# KiCad board dasicHotswap.kicad_pcb
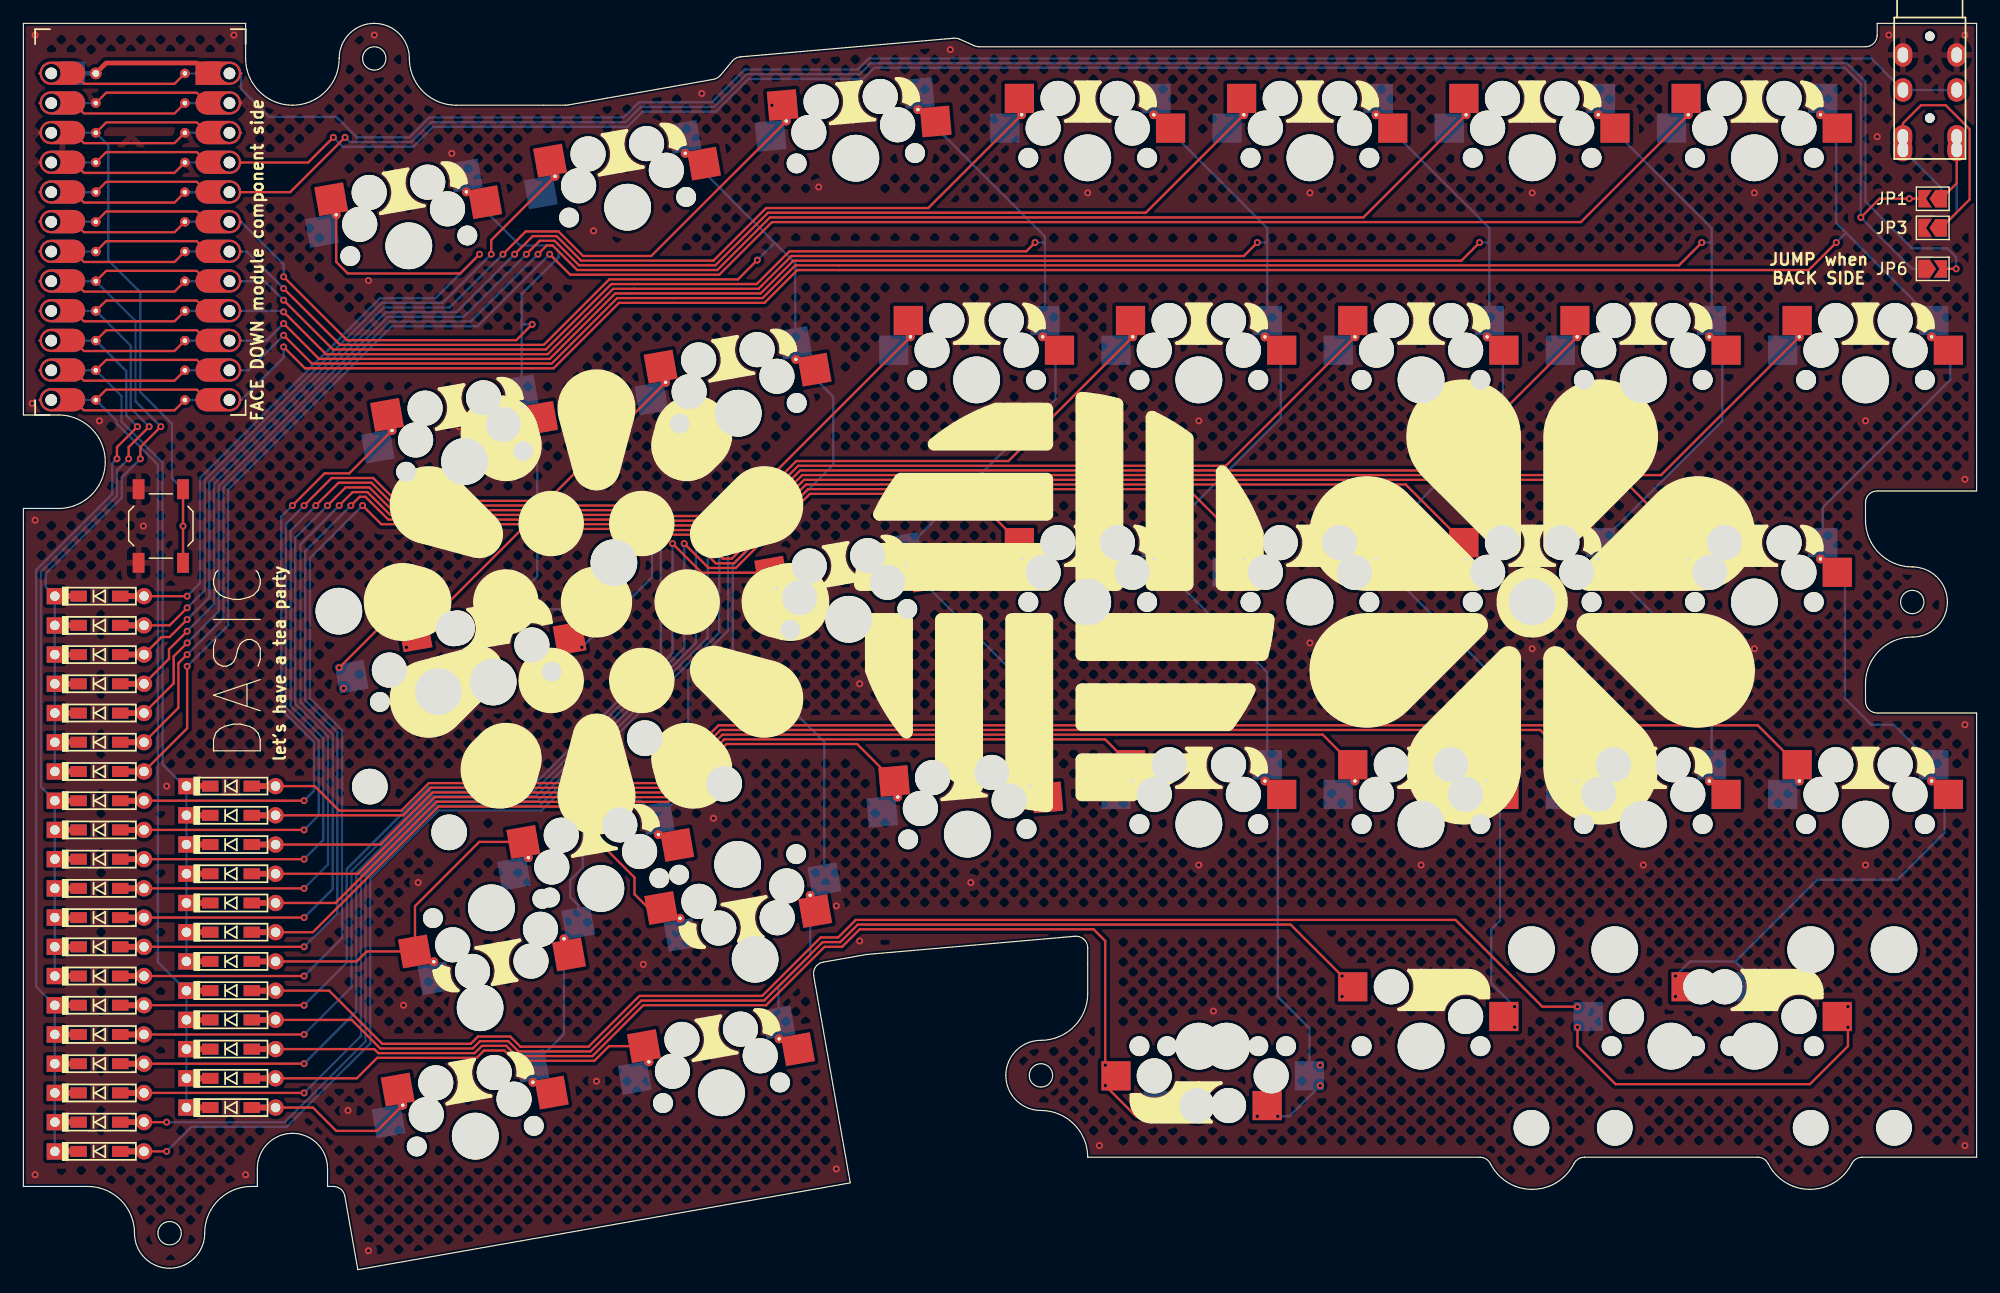
[diagram p0: board, top side]
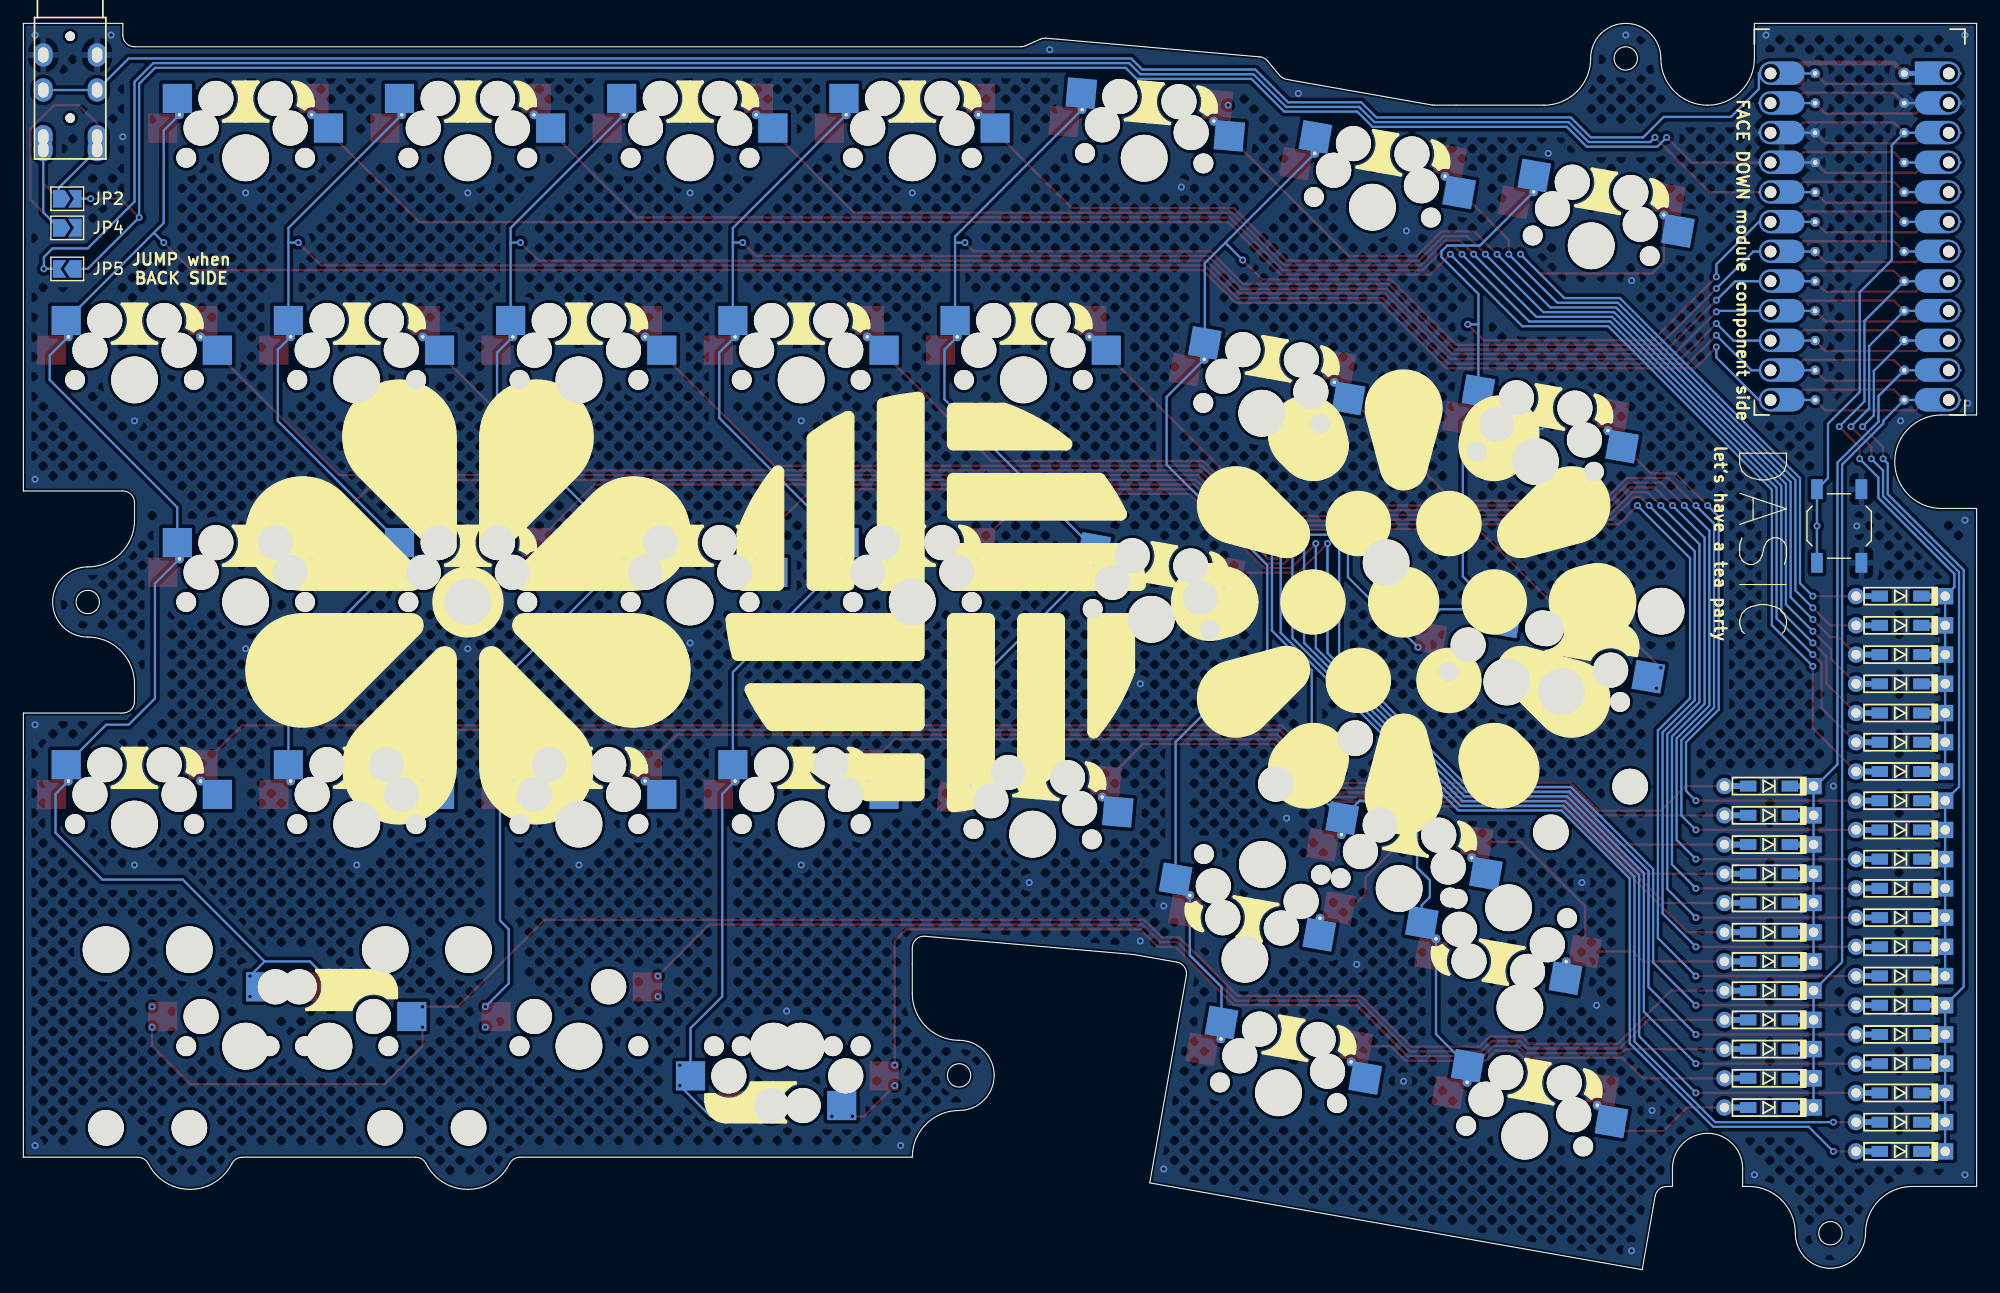
[diagram p1: board, bottom side, seen from below]

Outline 167 x 106.62 mm; copper layers: Top, Bottom. Coordinates in mm from the lower left corner of the outline.
Outline path: circle c12.5,3.12 r1 ; circle c30,103.62 r1 ; circle c87,16.62 r1 ; circle c161.5,57.12 r1 ; 3,65.12 0,65.12 0,7.12 5.5,7.12 ; 3,73.12 0,73.12 0,106.62 19,106.62 19,103.62 ; 20,8.66 20,7.12 19.5,7.12 ; 26,8.66 26,7.12 26.5,7.12 ; 27.48,6.29 28.59,0 70.69,7.42 67.57,25.15 ; 37,99.62 46.37,99.62 46.54,99.63 59.01,101.83 ; 59.6,102.17 60.61,103.39 ; 61.3,103.75 79.55,105.35 ; 68.38,26.31 72.03,26.95 72.12,26.96 89.91,28.52 ; 80.04,105.27 81.31,104.7 ; 81.71,104.62 157.5,104.62 ; 91,27.52 91,23.62 ; 124.53,9.62 91,9.62 ; 148.28,9.62 133.47,9.62 ; 157.5,65.62 157.5,64.12 ; 157.5,50.12 157.5,48.62 ; 158.5,105.62 158.5,106.62 167,106.62 167,66.62 158.5,66.62 ; 158.5,47.62 167,47.62 167,9.62 157.22,9.62

## Placement (name value [footprint] x y rotation side)
D1  D  [Diode_TH_SMD_REVERSIBLE]  6.5 57.62 0 top
D2  D  [Diode_TH_SMD_REVERSIBLE]  6.5 55.12 0 top
D3  D  [Diode_TH_SMD_REVERSIBLE]  6.5 52.62 0 top
D4  D  [Diode_TH_SMD_REVERSIBLE]  6.5 50.12 0 top
D5  D  [Diode_TH_SMD_REVERSIBLE]  6.5 47.62 0 top
D6  D  [Diode_TH_SMD_REVERSIBLE]  6.5 45.12 0 top
D7  D  [Diode_TH_SMD_REVERSIBLE]  6.5 42.62 0 top
D8  D  [Diode_TH_SMD_REVERSIBLE]  6.5 40.12 0 top
D9  D  [Diode_TH_SMD_REVERSIBLE]  6.5 37.62 0 top
D10  D  [Diode_TH_SMD_REVERSIBLE]  6.5 35.12 0 top
D11  D  [Diode_TH_SMD_REVERSIBLE]  6.5 32.62 0 top
D12  D  [Diode_TH_SMD_REVERSIBLE]  6.5 30.12 0 top
D13  D  [Diode_TH_SMD_REVERSIBLE]  6.5 27.62 0 top
D14  D  [Diode_TH_SMD_REVERSIBLE]  6.5 25.12 0 top
D15  D  [Diode_TH_SMD_REVERSIBLE]  6.5 22.62 0 top
D16  D  [Diode_TH_SMD_REVERSIBLE]  6.5 20.12 0 top
D17  D  [Diode_TH_SMD_REVERSIBLE]  6.5 17.62 0 top
D18  D  [Diode_TH_SMD_REVERSIBLE]  6.5 15.12 0 top
D19  D  [Diode_TH_SMD_REVERSIBLE]  6.5 12.62 0 top
D20  D  [Diode_TH_SMD_REVERSIBLE]  6.5 10.12 0 top
D21  D  [Diode_TH_SMD_REVERSIBLE#2]  17.75 26.37 0 bottom
D22  D  [Diode_TH_SMD_REVERSIBLE#2]  17.75 28.87 0 bottom
D23  D  [Diode_TH_SMD_REVERSIBLE#2]  17.75 31.37 0 bottom
D24  D  [Diode_TH_SMD_REVERSIBLE#2]  17.75 33.87 0 bottom
D25  D  [Diode_TH_SMD_REVERSIBLE#2]  17.75 36.37 0 bottom
D26  D  [Diode_TH_SMD_REVERSIBLE#2]  17.75 38.87 0 bottom
D27  D  [Diode_TH_SMD_REVERSIBLE#2]  17.75 41.37 0 bottom
D28  D  [Diode_TH_SMD_REVERSIBLE#2]  17.75 13.87 0 bottom
D29  D  [Diode_TH_SMD_REVERSIBLE#2]  17.75 16.37 0 bottom
D30  D  [Diode_TH_SMD_REVERSIBLE#2]  17.75 18.87 0 bottom
D31  D  [Diode_TH_SMD_REVERSIBLE#2]  17.75 21.37 0 bottom
D32  D  [Diode_TH_SMD_REVERSIBLE#2]  17.75 23.87 0 bottom
J1  AudioJack4  [TRRS-PJ-320A_PIN]  163 107.12 0 top
J2  AudioJack4  [TRRS-PJ-320A_PIN]  163 107.12 180 bottom
JP1  SolderJumper_2_Open  [SolderJumper-2_P1.3mm_Open_TrianglePad1.0x1.5mm]  163.25 91.62 180 top
JP2  SolderJumper_2_Open  [SolderJumper-2_P1.3mm_Open_TrianglePad1.0x1.5mm]  163.25 91.62 180 bottom
JP3  SolderJumper_2_Open  [SolderJumper-2_P1.3mm_Open_TrianglePad1.0x1.5mm]  163.25 89.12 180 top
JP4  SolderJumper_2_Open  [SolderJumper-2_P1.3mm_Open_TrianglePad1.0x1.5mm]  163.25 89.12 180 bottom
JP5  SolderJumper_2_Open  [SolderJumper-2_P1.3mm_Open_TrianglePad1.0x1.5mm]  163.25 85.62 0 bottom
JP6  SolderJumper_2_Open  [SolderJumper-2_P1.3mm_Open_TrianglePad1.0x1.5mm]  163.25 85.62 0 top
REF**  -  [StabilizerHole_2u]  40.16 50.27 190 top
REF**#2  -  [StabilizerHole_2u]  148 19.12 180 top
REF**#3  -  [StabilizerHole_2u]  49.37 32.6 10 top
REF**#4  -  [StabilizerHole_2u]  140.88 19.12 180 top
SW1  SW_Push  [MX_Hotswap_FootprintPropertyFix_Guided]  32.95 87.59 10 top
SW2  SW_Push  [MX_Hotswap_FootprintPropertyFix_Guided]  51.66 90.89 10 top
SW3  SW_Push  [MX_Hotswap_FootprintPropertyFix_Guided]  71.17 95.08 5 top
SW4  SW_Push  [MX_Hotswap_FootprintPropertyFix_Guided]  91 95.12 0 top
SW5  SW_Push  [MX_Hotswap_FootprintPropertyFix_Guided]  110 95.12 0 top
SW6  SW_Push  [MX_Hotswap_FootprintPropertyFix_Guided]  129 95.12 0 top
SW7  SW_Push  [MX_Hotswap_FootprintPropertyFix_Guided]  148 95.12 0 top
SW8  SW_Push  [MX_Hotswap_FootprintPropertyFix_Guided]  37.73 69.14 10 top
SW9  SW_Push  [MX_Hotswap_FootprintPropertyFix_Guided]  61.12 73.26 10 top
SW10  SW_Push  [MX_Hotswap_FootprintPropertyFix_Guided]  81.5 76.12 0 top
SW11  SW_Push  [MX_Hotswap_FootprintPropertyFix_Guided]  100.5 76.12 0 top
SW12  SW_Push  [MX_Hotswap_FootprintPropertyFix_Guided]  119.5 76.12 0 top
SW13  SW_Push  [MX_Hotswap_FootprintPropertyFix_Guided]  138.5 76.12 0 top
SW14  SW_Push  [MX_Hotswap_FootprintPropertyFix_Guided]  157.5 76.12 0 top
SW15  SW_Push  [MX_HotswapOneside_Guided]  40.16 50.27 10 top
SW15#2  SW_Push  [MX_HotswapOnesideReverse_Guided]  35.49 49.45 190 bottom
SW16  SW_Push  [MX_Hotswap_FootprintPropertyFix_Guided]  70.57 55.63 10 top
SW17  SW_Push  [MX_Hotswap_FootprintPropertyFix_Guided]  91 57.12 0 top
SW18  SW_Push  [MX_Hotswap_FootprintPropertyFix_Guided]  110 57.12 0 top
SW19  SW_Push  [MX_Hotswap_FootprintPropertyFix_Guided]  129 57.12 0 top
SW20  SW_Push  [MX_Hotswap_FootprintPropertyFix_Guided]  148 57.12 0 top
SW21  SW_Push  [MX_Hotswap_FootprintPropertyFix_Guided]  40.02 30.95 190 top
SW21#2  SW_Push  [MX_Hotswap_FootprintPropertyFix_Guided]  49.37 32.6 10 top
SW22  SW_Push  [MX_Hotswap_FootprintPropertyFix_Guided]  61.07 34.67 190 top
SW23  SW_Push  [MX_Hotswap_FootprintPropertyFix_Guided]  80.71 37.25 5 top
SW24  SW_Push  [MX_Hotswap_FootprintPropertyFix_Guided]  100.5 38.12 0 top
SW25  SW_Push  [MX_Hotswap_FootprintPropertyFix_Guided]  119.5 38.12 0 top
SW26  SW_Push  [MX_Hotswap_FootprintPropertyFix_Guided]  138.5 38.12 0 top
SW27  SW_Push  [MX_Hotswap_FootprintPropertyFix_Guided]  157.5 38.12 0 top
SW28  SW_Push  [MX_Hotswap_FootprintPropertyFix_Guided]  38.64 11.42 10 top
SW29  SW_Push  [MX_Hotswap_FootprintPropertyFix_Guided]  59.69 15.13 10 top
SW30  SW_Push  [MX_HotswapOnesideReverse_Guided]  100.5 19.12 180 top
SW30#2  SW_Push  [MX_HotswapOneside_Guided]  102.88 19.12 0 bottom
SW31  SW_Push  [MX_HotswapOneside_Guided]  119.5 19.12 0 top
SW32  SW_Push  [MX_HotswapOneside_Guided]  148 19.12 0 top
SW32#2  SW_Push  [MX_HotswapOneside_Guided]  140.88 19.12 180 bottom
SW34  SW_Push  [SW_SPST_TL3342]  11.75 63.62 270 top
SW34#2  SW_Push  [SW_SPST_TL3342#2]  11.75 63.62 90 bottom
U1  ProMicro_r  [ProMicro_ComponentDown_ReveriblePad_ViaConnected]  10 88.37 270 bottom

## Library data of the parts
D1-D20 = -: Description: Diode; Sim.Pins: 1=K 2=A; ki_fp_filters: TO-???* *_Diode_* *SingleDiode* D_*
D21-D32 = -: Description: Diode; Sim.Pins: 1=K 2=A
J1 J2 = -: Description: Audio Jack, 4 Poles (TRRS); ki_fp_filters: Jack*
JP1-JP6 = -: Description: Solder Jumper, 2-pole, open; ki_fp_filters: SolderJumper*Open*
SW34 SW34#2 = -: Description: Push button switch, generic, two pins

## Footprints (pads in the part's own frame, mm; a bottom-side part is the same pattern mirrored in y, then rotated)
Diode_TH_SMD_REVERSIBLE
  rect 1.397x1.397 hole 0.813: 1(-3.81,0)
  rect 2x0.5 smd: 1(-2.75,0) 2(2.75,0)
  rect 2x0.5 smd far side: 1(-2.75,0) 2(2.75,0)
  rect 1.4x0.94 smd: 1(-1.775,0) 2(1.775,0)
  rect 1.4x0.94 smd far side: 1(-1.775,0) 2(1.775,0)
  round 1.397 hole 0.813: 2(3.81,0)
Diode_TH_SMD_REVERSIBLE#2
  rect 1.397x1.397 hole 0.813: 1(-3.81,0)
  rect 2x0.5 smd far side: 1(-2.75,0) 2(2.75,0)
  rect 2x0.5 smd: 1(-2.75,0) 2(2.75,0)
  rect 1.4x0.94 smd far side: 1(-1.775,0) 2(1.775,0)
  rect 1.4x0.94 smd: 1(-1.775,0) 2(1.775,0)
  round 1.397 hole 0.813: 2(3.81,0)
MX_Hotswap_FootprintPropertyFix_Guided
  round 1.702 hole 1.702 unplated: (-5.08,0) (5.08,0)
  round 3 hole 3 unplated: (-3.81,2.54) (-2.54,5.08) (2.54,5.08) (3.81,2.54)
  round 4 hole 4 unplated: (0,0)
  rect 2.5x2.5 smd far side: 1(-7.085,2.54) 2(5.842,5.08)
  rect 2.5x2.5 smd: 1(-5.842,5.08) 2(7.085,2.54)
  round 0.762 hole 0.3: 1(-5.652,3.683) 2(5.652,3.683)
MX_HotswapOneside_Guided
  round 1.702 hole 1.702 unplated: (-5.08,0) (5.08,0)
  round 3 hole 3 unplated: (-2.54,5.08) (3.81,2.54)
  round 4 hole 4 unplated: (0,0)
  rect 2.5x2.5 smd: 1(-5.842,5.08) 2(7.085,2.54)
MX_HotswapOnesideReverse_Guided
  round 1.702 hole 1.702 unplated: (-5.08,0) (5.08,0)
  round 3 hole 3 unplated: (-2.54,5.08) (3.81,2.54)
  round 4 hole 4 unplated: (0,0)
  rect 2.5x2.5 smd: 1(7.085,2.54) 2(-5.842,5.08)
ProMicro_ComponentDown_ReveriblePad_ViaConnected
  round 1 hole 1.1 unplated: (-13.97,-7.62) (-13.97,7.62) (-11.43,-7.62) (-11.43,7.62) (-8.89,-7.62) (-8.89,7.62) (-6.35,-7.62) (-6.35,7.62) (-3.81,-7.62) (-3.81,7.62) (-1.27,-7.62) (-1.27,7.62) (1.27,-7.62) (1.27,7.62) (3.81,-7.62) (3.81,7.62) (6.35,-7.62) (6.35,7.62) (8.89,-7.62) (8.89,7.62) (11.43,-7.62) (11.43,7.62) (13.97,-7.62) (13.97,7.62)
  custom 2x3.905 smd: 1(-13.988,-5.715) 2(-11.448,-5.715) 3(-8.908,-5.715) 4(-6.368,-5.715) 5(-3.828,-5.715) 6(-1.288,-5.715) 7(1.252,-5.715) 8(3.792,-5.715) 9(6.332,-5.715) 10(8.872,-5.715) 11(11.412,-5.715) 12(13.952,-5.715) 13(13.952,5.715) 14(11.412,5.715) 15(8.872,5.715) 16(6.332,5.715) 17(3.792,5.715) 18(1.252,5.715) 19(-1.288,5.715) 20(-3.828,5.715) 21(-6.368,5.715) 22(-8.908,5.715) 23(-11.448,5.715) 24(-13.988,5.715)
  custom 2x3.905 smd far side: 1(-13.988,5.715) 2(-11.448,5.715) 3(-8.908,5.715) 4(-6.368,5.715) 5(-3.828,5.715) 6(-1.288,5.715) 7(1.252,5.715) 8(3.792,5.715) 9(6.332,5.715) 10(8.872,5.715) 11(11.412,5.715) 12(13.952,5.715) 13(13.952,-5.715) 14(11.412,-5.715) 15(8.872,-5.715) 16(6.332,-5.715) 17(3.792,-5.715) 18(1.252,-5.715) 19(-1.288,-5.715) 20(-3.828,-5.715) 21(-6.368,-5.715) 22(-8.908,-5.715) 23(-11.448,-5.715) 24(-13.988,-5.715)
  round 0.2 smd: 1(-13.97,-8.615) 2(-11.43,-8.615) 3(-8.89,-8.615) 4(-6.35,-8.615) 5(-3.81,-8.615) 6(-1.27,-8.615) 7(1.27,-8.615) 8(3.81,-8.615) 9(6.35,-8.615) 10(8.89,-8.615) 11(11.43,-8.615) 12(13.97,-8.615) 13(13.97,8.615) 14(11.43,8.615) 15(8.89,8.615) 16(6.35,8.615) 17(3.81,8.615) 18(1.27,8.615) 19(-1.27,8.615) 20(-3.81,8.615) 21(-6.35,8.615) 22(-8.89,8.615) 23(-11.43,8.615) 24(-13.97,8.615)
  round 0.8 hole 0.4: 1(-13.97,-3.81) 2(-11.43,-3.81) 3(-8.89,-3.81) 4(-6.35,-3.81) 5(-3.81,-3.81) 6(-1.27,-3.81) 7(1.27,-3.81) 8(3.81,-3.81) 9(6.35,-3.81) 10(8.89,-3.81) 11(11.43,-3.81) 12(13.97,-3.81) 13(13.97,3.81) 14(11.43,3.81) 15(8.89,3.81) 16(6.35,3.81) 17(3.81,3.81) 18(1.27,3.81) 19(-1.27,3.81) 20(-3.81,3.81) 21(-6.35,3.81) 22(-8.89,3.81) 23(-11.43,3.81)
  custom 1.389x10.025 smd far side: 1(-13.97,-3.81) 2(-11.43,-3.81) 3(-8.89,-3.81) 4(-6.35,-3.81) 5(-3.81,-3.81) 6(-1.27,-3.81) 7(1.27,-3.81) 8(3.81,-3.81) 9(6.35,-3.81) 10(8.89,-3.81) 11(11.43,-3.81) 12(13.97,-3.81) 13(13.97,3.81) 14(11.43,3.81) 15(8.89,3.81) 16(6.35,3.81) 17(3.81,3.81) 18(1.27,3.81) 19(-1.27,3.81) 20(-3.81,3.81) 21(-6.35,3.81) 22(-8.89,3.81) 23(-11.43,3.81)
  custom 0.8x2.405 smd: 1(-13.97,-3.81) 2(-11.43,-3.81) 3(-8.89,-3.81) 4(-6.35,-3.81) 5(-3.81,-3.81) 6(-1.27,-3.81) 7(1.27,-3.81) 8(3.81,-3.81) 9(6.35,-3.81) 10(8.89,-3.81) 11(11.43,-3.81) 12(13.97,-3.81) 13(13.97,3.81) 14(11.43,3.81) 15(8.89,3.81) 16(6.35,3.81) 17(3.81,3.81) 18(1.27,3.81) 19(-1.27,3.81) 20(-3.81,3.81) 21(-6.35,3.81) 22(-8.89,3.81) 23(-11.43,3.81)
  round 0.2 smd far side: 1(-13.97,8.615) 2(-11.43,8.615) 3(-8.89,8.615) 4(-6.35,8.615) 5(-3.81,8.615) 6(-1.27,8.615) 7(1.27,8.615) 8(3.81,8.615) 9(6.35,8.615) 10(8.89,8.615) 11(11.43,8.615) 12(13.97,8.615) 13(13.97,-8.615) 14(11.43,-8.615) 15(8.89,-8.615) 16(6.35,-8.615) 17(3.81,-8.615) 18(1.27,-8.615) 19(-1.27,-8.615) 20(-3.81,-8.615) 21(-6.35,-8.615) 22(-8.89,-8.615) 23(-11.43,-8.615) 24(-13.97,-8.615)
  rect 2x2 smd far side: 24(-13.988,-5.715)
  rect 2x2 smd: 24(-13.988,5.715)
  custom 1.489x10.125 smd far side: 24(-13.97,3.81)
  custom 0.8x2.505 smd: 24(-13.97,3.81)
  round 1 hole 0.6: 24(-13.97,3.81)
SolderJumper-2_P1.3mm_Open_TrianglePad1.0x1.5mm
  custom 1.5x1.5 smd: 1(-0.725,0)
  custom 1.15x1.5 smd: 2(0.725,0)
StabilizerHole_2u
  round 3.988 hole 3.988 unplated: (-11.938,-8.255) (11.938,-8.255)
  round 3.048 hole 3.048 unplated: (-11.938,6.985) (11.938,6.985)
SW_SPST_TL3342
  rect 1.7x1 smd: 1(-3.15,1.9) 1(3.15,1.9) 2(-3.15,-1.9) 2(3.15,-1.9)
SW_SPST_TL3342#2
  rect 1.7x1 smd: 1(-3.15,1.9) 1(3.15,1.9) 2(-3.15,-1.9) 2(3.15,-1.9)
TRRS-PJ-320A_PIN
  round 0.8 hole 0.8 unplated: (0,-1.6) (0,-8.6)
  oval 1.6x2 hole 0.9x1.3: R1(2.3,-6.2) R2(2.3,-3.2) S(-2.3,-11.3) T(2.3,-10.2)

## Nets
GND: J1.R2 J2.R2 JP3.2 JP4.2 JP6.1 SW34.2 SW34#2.2 U1.3 U1.4 U1.23
VCC: JP1.2 JP2.2 JP5.1 U1.21
BAT+: U1.24
COL1: SW1.2 SW8.2 SW15.2 SW15#2.2 SW21.1 SW21#2.2 SW28.2 U1.6
COL2: SW2.2 SW9.2 SW22.1 SW29.2 U1.7
COL3: SW3.2 SW10.2 SW16.2 SW23.2 U1.8
COL4: SW4.2 SW11.2 SW17.2 SW24.2 SW30.2 SW30#2.2 U1.9
COL5: SW5.2 SW12.2 SW18.2 SW25.2 SW31.2 U1.10
COL6: SW6.2 SW13.2 SW19.2 SW26.2 U1.11
COL7: SW7.2 SW14.2 SW20.2 SW27.2 SW32.1 SW32#2.1 U1.12
HAND: JP5.2 JP6.2 U1.20
ROW1: D1.1 D2.1 D3.1 D4.1 D5.1 D6.1 D7.1 U1.17
ROW2: D8.1 D9.1 D10.1 D11.1 D12.1 D13.1 D14.1 U1.16
ROW3: D15.1 D16.1 D17.1 D18.1 D19.1 D20.1 U1.15
ROW4: D21.1 D22.1 D23.1 D24.1 D25.1 D26.1 D27.1 U1.14
ROW5: D28.1 D29.1 D30.1 D31.1 D32.1 U1.13
RST: SW34.1 SW34#2.1 U1.22
SERIAL: J1.R1 J2.R1 U1.1
Net-(D1-A): D1.2 SW1.1
Net-(D2-A): D2.2 SW2.1
Net-(D3-A): D3.2 SW3.1
Net-(D4-A): D4.2 SW4.1
Net-(D5-A): D5.2 SW5.1
Net-(D6-A): D6.2 SW6.1
Net-(D7-A): D7.2 SW7.1
Net-(D8-A): D8.2 SW8.1
Net-(D9-A): D9.2 SW9.1
Net-(D10-A): D10.2 SW10.1
Net-(D11-A): D11.2 SW11.1
Net-(D12-A): D12.2 SW12.1
Net-(D13-A): D13.2 SW13.1
Net-(D14-A): D14.2 SW14.1
Net-(D15-A): D15.2 SW15.1 SW15#2.1
Net-(D16-A): D16.2 SW16.1
Net-(D17-A): D17.2 SW17.1
Net-(D18-A): D18.2 SW18.1
Net-(D19-A): D19.2 SW19.1
Net-(D20-A): D20.2 SW20.1
Net-(D21-A): D21.2 SW21.2 SW21#2.1
Net-(D22-A): D22.2 SW22.2
Net-(D23-A): D23.2 SW23.1
Net-(D24-A): D24.2 SW24.1
Net-(D25-A): D25.2 SW25.1
Net-(D26-A): D26.2 SW26.1
Net-(D27-A): D27.2 SW27.1
Net-(D28-A): D28.2 SW28.1
Net-(D29-A): D29.2 SW29.1
Net-(D30-A): D30.2 SW30.1 SW30#2.1
Net-(D31-A): D31.2 SW31.1
Net-(D32-A): D32.2 SW32.2 SW32#2.2
Net-(JP1-A): J1.T J2.S JP1.1 JP4.1
Net-(JP2-A): J1.S J2.T JP2.1 JP3.1

Pads without a net: U1 2 5 18 19

## Via types
v1: diameter 0.6, hole 0.3, Top to Bottom, 150 vias

## Routing (per net, layer and track width the routed paths; a pad name or vN(x,y) marks a point on that pad's centre or on a via; arc(x,y) is an arc through that point)
GND:
  vias: v1(0.75,74.12) v1(1,105.62) v1(1,64.12) v1(1,8.12) v1(6.5,72.62) v1(10.25,63.62) v1(12.25,41.37) v1(18,105.62) v1(19,8.12) v1(27.75,13.62) v1(29.5,84.62) v1(29.5,1.62) v1(30,105.62) v1(32.5,22.62) v1(33.75,33.12) v1(36.62,95.49) v1(37.25,72.12) v1(48.75,88.87) v1(49,16.12) v1(53,26.12) v1(58,100.62) v1(59,38.62) v1(60.75,76.87) v1(68,92.62) v1(69.5,31.12) v1(69.5,8.62) v1(71.5,50.12) v1(71.5,28.12) v1(79.25,104.37) v1(81,33.12) v1(81.5,72.62) v1(91,92.12) v1(91,53.62) v1(92,10.62) v1(100.5,72.62) v1(100.5,34.62) v1(101.75,22.12) v1(110,92.12) v1(110,53.62) v1(119.5,72.62) v1(119.5,34.62) v1(129,92.12) v1(129,53.12) v1(138.5,72.62) v1(138.5,34.62) v1(148,92.12) v1(148,53.12) v1(157.5,72.62) v1(157.5,34.62) v1(158.5,96.92) v1(159.5,105.62) v1(166,105.62) v1(166,67.62) v1(166,46.62) v1(166,10.62)
VCC: length 169.1
  Top w0.2: v1(26.5,96.87) 24.35,94.72 U1.21 ; JP1.2 v1(161.25,91.62) 158.7,91.62 v1(157.1,90.02)
  Bottom w0.2: JP5.1 161.5,85.62 v1(157.1,90.02) 157.1,101.45 155.73,102.81 72.75,102.81 71.8,101.87 62,101.87 59.2,99.06 52.95,99.06 51.65,97.77 35.04,97.77 33.33,96.06 27.3,96.06 v1(26.5,96.87) ; v1(161.25,91.62) JP1.2
COL1: length 153.9
  Top w0.2: v1(43.5,80.87) 42.15,79.52 27.67,79.52 v1(22.25,84.94)
  Bottom w0.2: 42.6,80.87 42.6,83.46 45.75,86.62 45.75,87.12 45.25,87.62 42.46,87.62 SW1.2 ; 42.6,80.87 SW8.2 ; 42.6,80.87 v1(43.5,80.87) ; v1(47.38,54.99) 45.88,56.49 v1(41.12,56.49) 43.93,59.3 43.93,72.47 SW8.2 ; SW28.2 46.22,20.15 SW21.1 ; SW21.1 47.44,31.18 46.75,31.87 46.75,33.31 47.84,34.4 47.84,37.93 50.02,40.12 52.75,40.12 SW21#2.2 56.85,41.23 56.85,51.27 60.25,54.67 60.25,62.37 59.75,62.87 54.25,62.87 53.75,62.37 53.75,59.24 v1(47.75,53.24) ; U1.6 22.25,86 v1(22.25,84.94)
  vias: v1(41.38,54.74)
COL2: length 137.3
  Top w0.2: v1(62.75,86.37) 61.1,84.71 50.1,84.71 44.5,79.12 27.07,79.12 v1(22.25,83.94)
  Bottom w0.2: v1(62.75,86.37) 64.23,87.85 ; 64.23,87.85 65.99,86.1 SW9.2 ; 64.23,87.85 SW2.2 ; U1.7 19.09,87.1 v1(22.25,83.94) 22.18,83.94 ; SW9.2 69.25,74.66 69.25,68.87 60.65,60.27 60.65,52.96 68.49,45.13 SW22.1 ; SW22.1 67.27,26.89 64.56,24.18 SW29.2
COL3: length 143.2
  Top w0.2: v1(22.25,82.94) 26.47,78.71 44.67,78.71 50.27,84.31 62.7,84.31 65.5,87.12 85.75,87.12 v1(86.5,87.87)
  Bottom w0.2: SW16.2 88.25,74.46 88.25,78.7 SW10.2 ; 87.34,87.87 87.34,88.38 SW3.2 ; 87.34,87.87 SW10.2 ; 87.34,87.87 v1(86.5,87.87) ; SW16.2 86.09,49.65 SW23.2 ; U1.8 20.63,84.56 v1(22.25,82.94)
COL4: length 190.5
  Top w0.2: v1(22.25,81.94) 25.87,78.31 44.83,78.31 50.43,83.91 62.86,83.91 65.67,86.71 104.35,86.71 v1(105.5,87.87)
  Bottom w0.2: v1(110.88,15.74) 108.25,13.12 v1(107.25,13.12) ; U1.9 22.17,82.02 v1(22.25,81.94) ; SW11.2 107.5,78.45 107.5,72.85 SW17.2 ; v1(105.5,87.87) 106.34,87.87 ; 106.34,87.87 106.34,89.11 SW4.2 ; 106.34,87.87 SW11.2 ; SW30#2.2 109.96,20.66 107.25,23.37 107.25,40.7 SW24.2 ; SW17.2 106.34,51.11 SW24.2
  vias: v1(105.5,13.12) v1(110.88,17.49)
COL5: length 199.4
  Top w0.2: v1(22.25,80.94) 25.27,77.91 45,77.91 50.6,83.51 63.03,83.51 65.83,86.31 122.95,86.31 v1(124.5,87.87)
  Bottom w0.2: v1(124.5,87.87) 125.34,87.87 ; 125.34,87.87 125.34,89.11 SW5.2 ; 125.34,87.87 SW12.2 ; v1(127.5,22.49) 125.5,24.49 125.5,29.12 126.25,29.87 126.25,40.7 SW25.2 ; SW18.2 126.5,72.85 126.5,78.45 SW12.2 ; SW18.2 125.34,51.11 SW25.2 ; v1(22.25,80.94) 20.79,79.48 U1.10
  vias: v1(127.5,20.74)
COL6: length 197.9
  Top w0.2: v1(143.5,87.87) 141.55,85.91 66,85.91 63.2,83.11 50.76,83.11 45.16,77.51 24.67,77.51 v1(22.25,79.94)
  Bottom w0.2: SW26.2 144.34,51.11 SW19.2 ; SW19.2 145.25,72.6 145.25,78.7 SW13.2 ; U1.11 19.25,76.94 v1(22.25,79.94) ; SW6.2 144.34,89.11 144.34,87.87 ; 144.34,87.87 SW13.2 ; 144.34,87.87 v1(143.5,87.87)
COL7: length 247.1
  Top w0.2: v1(155,87.87) 152.65,85.51 66.16,85.51 63.36,82.71 50.93,82.71 45.33,77.11 24.08,77.11 v1(22.25,78.94)
  Bottom w0.2: SW20.2 153.84,65.21 164.75,76.12 164.75,78.2 SW14.2 ; SW27.2 164.25,40.7 164.25,37.37 160.25,33.37 153.38,33.37 146.38,26.37 ; 155.84,88.7 155,89.54 155,97.45 SW7.2 ; 155.84,88.7 SW14.2 ; 155.84,88.7 v1(155,87.87) ; SW20.2 155.75,58.7 155.75,48.87 158,46.62 159.92,46.62 SW27.2 ; v1(22.25,78.94) 22.25,78.03 U1.12 ; 146.38,26.37 142.5,26.37 v1(141.25,25.12) ; 146.38,26.37 v1(147.62,25.12)
  vias: v1(141.25,23.37) v1(147.62,23.37)
HAND: length 168
  Top w0.2: U1.20 22.81,92.18 v1(27.5,96.87) ; v1(165.25,85.62) JP6.2
  Bottom w0.2: v1(27.5,96.87) 27.9,96.46 33.17,96.46 34.87,98.17 51.48,98.17 52.78,99.46 59.03,99.46 61.83,102.27 71.5,102.27 72.45,103.21 155.9,103.21 157.5,101.62 157.5,91.37 161.5,87.37 164.5,87.37 165.25,86.62 v1(165.25,85.62) JP6.2
ROW1: length 48.6
  Top w0.2: v1(10,69.37) 10,70.37 v1(11.75,72.12)
  Bottom w0.2: D7.1 D1.1 1.9,58.4 1.9,59.52 8.4,66.02 8.4,67.77 v1(10,69.37) ; U1.17 9.59,81.16 9.59,74.28 v1(11.75,72.12)
ROW2: length 63.1
  Top w0.2: v1(10.75,72.12) 9,70.37 v1(9,69.37)
  Bottom w0.2: D14.1 D8.1 1.5,41.31 1.5,59.68 8,66.18 8,68.37 v1(9,69.37) ; v1(10.75,72.12) 9.19,73.68 9.19,79.02 U1.16
ROW3: length 75.1
  Top w0.2: v1(8,69.37) 8,70.37 v1(9.75,72.12)
  Bottom w0.2: U1.15 8.79,76.88 8.79,73.08 v1(9.75,72.12) ; v1(8,69.37) 7.6,68.96 7.6,66.35 1.1,59.85 1.1,24.21 D15.1 D20.1
ROW4: length 53.9
  Bottom w0.2: D21.1 D27.1 13.75,41.37 11.9,43.21 11.9,69.03 8.39,72.55 8.39,74.74 U1.14
ROW5: length 63.7
  Bottom w0.2: U1.13 7.98,72.6 7.98,72.38 11.5,68.87 11.5,26.31 D32.1 D28.1
RST: length 46.2
  Top w0.2: SW34.1 v1(13.65,63.62) SW34.1
  Bottom w0.2: U1.22 7.25,96.2 7.25,86.37 9.99,83.63 9.99,75.08 12.71,72.37 12.71,67.71 SW34.1 SW34.1
SERIAL: length 153.7
  Bottom w0.2: J2.R1 158,103.62 72.28,103.62 71.33,102.67 61.67,102.67 58.87,99.87 52.62,99.87 51.32,98.57 34.7,98.57 33,96.87 28.5,96.87 26.75,98.62 21,98.62 18.62,101 U1.1 ; J2.R1 160.7,100.82 ; J2.R1 J1.R1
Net-(D1-A): length 63.5
  Top w0.2: v1(39,86.87) 37.35,85.22 27.74,85.22 26.74,86.21 SW1.1 ; v1(14,57.62) D1.2
  Bottom w0.2: v1(14,57.62) 15.1,58.71 15.1,67.71 30.5,83.12 35.25,83.12 v1(39,86.87)
Net-(D2-A): length 57.3
  Top w0.2: v1(40,86.87) 40,88.08 SW2.1 ; D2.2 12.5,55.12 v1(14,56.62)
  Bottom w0.2: v1(40,86.87) 35.85,82.71 30.67,82.71 15.5,67.55 15.5,58.12 v1(14,56.62)
Net-(D3-A): length 81.3
  Top w0.2: v1(14,55.62) 12.5,54.12 11.81,54.12 D3.2 ; SW3.1 53.68,86.72 47.85,86.72 45.75,88.82 42.95,88.82 v1(41,86.87)
  Bottom w0.2: v1(41,86.87) 36.45,82.31 30.83,82.31 15.9,67.38 15.9,57.52 v1(14,55.62)
  vias: v1(64,99.62)
Net-(D4-A): length 103.4
  Top w0.2: v1(14,54.62) 12.45,53.06 12.45,52.25 D4.2 ; SW4.1 77.37,90.82 63.5,90.82 59,86.32 47.68,86.32 45.58,88.42 43.55,88.42 v1(42,86.87)
  Bottom w0.2: v1(42,86.87) 37.05,81.91 31,81.91 16.3,67.22 16.3,56.92 v1(14,54.62)
Net-(D5-A): length 124.6
  Top w0.2: SW5.1 95.97,90.42 63.67,90.42 59.17,85.92 47.52,85.92 45.42,88.02 44.15,88.02 v1(43,86.87) ; D5.2 12.85,50.15 12.85,52.46 v1(14,53.62)
  Bottom w0.2: v1(43,86.87) 37.65,81.51 31.16,81.51 16.7,67.05 16.7,56.32 v1(14,53.62)
Net-(D6-A): length 145.8
  Top w0.2: D6.2 13.25,48.06 13.25,51.87 v1(14,52.62) ; SW6.1 114.57,90.02 63.83,90.02 59.33,85.52 47.35,85.52 45.25,87.62 44.75,87.62 v1(44,86.87)
  Bottom w0.2: v1(14,52.62) 17.1,55.72 17.1,66.88 31.33,81.11 38.24,81.11 v1(44,86.87)
Net-(D7-A): length 166.7
  Top w0.2: SW7.1 133.17,89.62 64,89.62 59.5,85.12 46.75,85.12 v1(45,86.87) ; v1(14,51.62) 14,46.31 D7.2
  Bottom w0.2: v1(45,86.87) 38.84,80.71 31.5,80.71 17.5,66.72 17.5,55.12 v1(14,51.62)
Net-(D8-A): length 52
  Top w0.2: D8.2 v1(24,40.12) ; SW8.1 27.86,68.12 25.75,68.12 v1(23,65.37)
  Bottom w0.2: v1(24,40.12) 24.84,40.96 24.84,45.12 22.05,47.91 22.05,64.41 v1(23,65.37)
Net-(D9-A): length 80.6
  Top w0.2: D9.2 v1(24,37.62) ; v1(24,65.37) 26.35,67.72 29.91,67.72 31.86,65.77 44.78,65.77 SW9.1
  Bottom w0.2: v1(24,65.37) 22.45,63.81 22.45,48.08 25.25,45.28 25.25,38.86 v1(24,37.62)
Net-(D10-A): length 105.9
  Top w0.2: D10.2 v1(24,35.12) ; v1(25,65.37) 26.95,67.32 29.75,67.32 31.7,65.37 54.26,65.37 55.16,64.47 60.52,64.47 SW10.1
  Bottom w0.2: v1(25,65.37) 22.85,63.21 22.85,48.24 25.65,45.45 25.65,36.76 v1(24,35.12)
Net-(D11-A): length 126.8
  Top w0.2: SW11.1 84.22,69.17 66.09,69.17 60.98,64.07 55,64.07 54.1,64.97 31.53,64.97 29.58,66.92 27.55,66.92 v1(26,65.37) ; D11.2 v1(24,32.62)
  Bottom w0.2: v1(24,32.62) 26.05,34.66 26.05,45.61 23.25,48.41 23.25,62.62 v1(26,65.37)
Net-(D12-A): length 147.6
  Top w0.2: D12.2 v1(24,30.12) ; SW12.1 102.82,68.77 66.25,68.77 61.15,63.67 54.83,63.67 53.93,64.57 31.36,64.57 29.42,66.52 28.15,66.52 v1(27,65.37)
  Bottom w0.2: v1(24,30.12) 26.45,32.56 26.45,45.79 23.7,48.54 23.7,62.06 v1(27,65.37)
Net-(D13-A): length 168.6
  Top w0.2: v1(28,65.37) 28.75,66.12 29.25,66.12 31.2,64.17 53.77,64.17 54.67,63.27 61.32,63.27 66.42,68.37 121.42,68.37 SW13.1 ; D13.2 v1(24,27.62)
  Bottom w0.2: v1(28,65.37) 24.1,61.46 24.1,48.71 26.85,45.96 26.85,30.46 v1(24,27.62)
Net-(D14-A): length 189.2
  Top w0.2: D14.2 v1(24,25.12) ; SW14.1 140.02,67.97 66.59,67.97 61.48,62.87 54.5,62.87 53.6,63.77 30.6,63.77 v1(29,65.37)
  Bottom w0.2: v1(24,25.12) 27.25,28.37 27.25,46.12 24.5,48.87 24.5,60.87 v1(29,65.37)
Net-(D15-A): length 103.2
  Top w0.2: SW15.1 42.63,63.37 53.25,63.37 v1(54.5,62.12) ; v1(24,22.62) D15.2 ; v1(32.5,54.99) 30.5,54.99 v1(27,51.49)
  Bottom w0.2: v1(24,22.62) 27.65,26.27 27.65,34.27 34.67,41.29 43.47,41.29 54.5,52.32 v1(54.5,62.12)
  vias: v1(27.38,49.74) v1(32.75,53.24)
Net-(D16-A): length 83.4
  Top w0.2: SW16.1 57.99,59.62 v1(55.5,62.12) ; v1(24,20.12) D16.2
  Bottom w0.2: v1(55.5,62.12) 55.5,52.75 43.64,40.89 34.84,40.89 28.05,34.1 28.05,24.17 v1(24,20.12)
Net-(D17-A): length 110.7
  Top w0.2: SW17.1 80.99,66.37 67.25,66.37 60.91,60.02 58.59,60.02 v1(56.5,62.12) ; v1(24,17.62) D17.2
  Bottom w0.2: v1(24,17.62) 28.45,22.07 28.45,33.94 35,40.49 43.8,40.49 56.5,53.19 v1(56.5,62.12)
Net-(D18-A): length 131.6
  Top w0.2: SW18.1 99.59,66.77 67.08,66.77 60.74,60.42 59.19,60.42 v1(57.5,62.12) ; v1(24,15.12) D18.2
  Bottom w0.2: v1(24,15.12) 28.85,19.97 28.85,33.77 35.17,40.09 43.97,40.09 57.5,53.62 v1(57.5,62.12)
Net-(D19-A): length 151.5
  Top w0.2: D19.2 v1(12.25,12.62) ; SW19.1 118.19,67.17 66.92,67.17 60.58,60.83 59.79,60.83 v1(58.5,62.12)
  Bottom w0.2: v1(58.5,62.12) 58.5,54.05 44.13,39.69 35.33,39.69 29.25,33.61 29.25,19.52 22.35,12.62 v1(12.25,12.62)
Net-(D20-A): length 171.2
  Top w0.2: D20.2 v1(12.25,10.12) ; SW20.1 136.78,67.57 66.75,67.57 60.55,61.37 60.25,61.37 v1(59.5,62.12)
  Bottom w0.2: v1(12.25,10.12) 14.35,12.21 22.52,12.21 29.66,19.35 29.66,33.44 35.5,39.28 44.3,39.28 59.5,54.49 v1(59.5,62.12)
Net-(D21-A): length 27.7
  Top w0.2: D21.2 28.5,26.37 29.36,27.22 SW21.2 33.48,31.1 38.98,36.59 SW21#2.1
Net-(D22-A): length 41.9
  Top w0.2: D22.2 24.75,28.87 35.5,39.62 46.18,39.62 52.25,33.54 52.25,32.12 53.43,30.93 SW22.2
Net-(D23-A): length 59.8
  Top w0.2: SW23.1 71.28,44.96 60.1,44.96 55.15,40.02 35.33,40.02 26.68,31.37 D23.2
Net-(D24-A): length 78.8
  Top w0.2: SW24.1 92.49,45.37 59.93,45.37 54.98,40.42 35.17,40.42 28.62,33.87 D24.2
Net-(D25-A): length 97.1
  Top w0.2: SW25.1 111.09,45.77 59.77,45.77 54.82,40.82 35,40.82 30.55,36.37 D25.2
Net-(D26-A): length 115.4
  Top w0.2: D26.2 32.48,38.87 34.84,41.22 54.65,41.22 59.6,46.17 129.69,46.17 SW26.1
Net-(D27-A): length 135.4
  Top w0.2: SW27.1 148.28,46.57 59.43,46.57 54.49,41.62 34.67,41.62 32.32,39.27 27,39.27 24.9,41.37 D27.2
Net-(D28-A): length 12.6
  Top w0.2: SW28.1 30.24,11.87 26.75,11.87 24.75,13.87 D28.2
Net-(D29-A): length 33.4
  Top w0.2: D29.2 28.5,16.37 30.25,18.12 38.75,18.12 39.37,18.74 41.12,18.74 42,17.87 48.82,17.87 50.07,19.12 SW29.1
Net-(D30-A): length 92
  Top w0.2: v1(96.12,13.12) 95.12,13.12 v1(92.5,15.74) ; D30.2 30,18.87 30.35,18.52 38.58,18.52 39.21,19.14 41.29,19.14 42.17,18.27 48.65,18.27 53,22.62 63.5,22.62 68.5,27.62 70,27.62 71.5,29.12 91.5,29.12 92.5,28.12 v1(92.5,17.49)
  vias: v1(97.88,13.12)
Net-(D31-A): length 99.1
  Top w0.2: D31.2 28.07,21.37 30.52,18.92 38.42,18.92 39.04,19.54 41.46,19.54 42.33,18.67 48.48,18.67 52.83,23.02 63.33,23.02 68.33,28.02 69.83,28.02 71.33,29.52 108.35,29.52 v1(112.75,25.12)
  vias: v1(112.75,23.37)
Net-(D32-A): length 150.5
  Top w0.2: v1(132.88,22.49) 129.88,22.49 122.45,29.92 71.17,29.92 69.67,28.42 68.17,28.42 63.17,23.42 52.67,23.42 48.32,19.07 42.5,19.07 41.62,19.94 38.88,19.94 38.25,19.32 30.68,19.32 26.13,23.87 D32.2 ; v1(132.88,20.74) 132.88,19.12 136.12,15.87 152.75,15.87 156,19.12 v1(156,20.74)
  vias: v1(156,22.49)
Net-(JP1-A): length 12
  Top w0.2: JP1.1 165.3,92.94 J2.S
  Bottom w0.2: J2.S 165.3,90.45 JP4.1
Net-(JP2-A): length 23.4
  Top w0.2: JP3.1 166.4,91.55 166.4,97.57 164.36,99.62 162.25,99.62 160.7,98.07 J2.T
  Bottom w0.2: J1.S 163.98,92.54 JP2.1

## Copper pours and planes (outline as drawn; the poured copper is in the pictures)
GND on Top, Bottom: -1,112.62 168,112.62 168,-5.38 -1,-5.38

## Text on the board
B.Silkscreen: JUMP when / BACK SIDE | let's have a tea party | FACE DOWN module component side | 다식DASIC
F.Silkscreen: JUMP when / BACK SIDE | let's have a tea party | FACE DOWN module component side | 다식DASIC
